# KiCad board processed.kicad_pcb (continued)
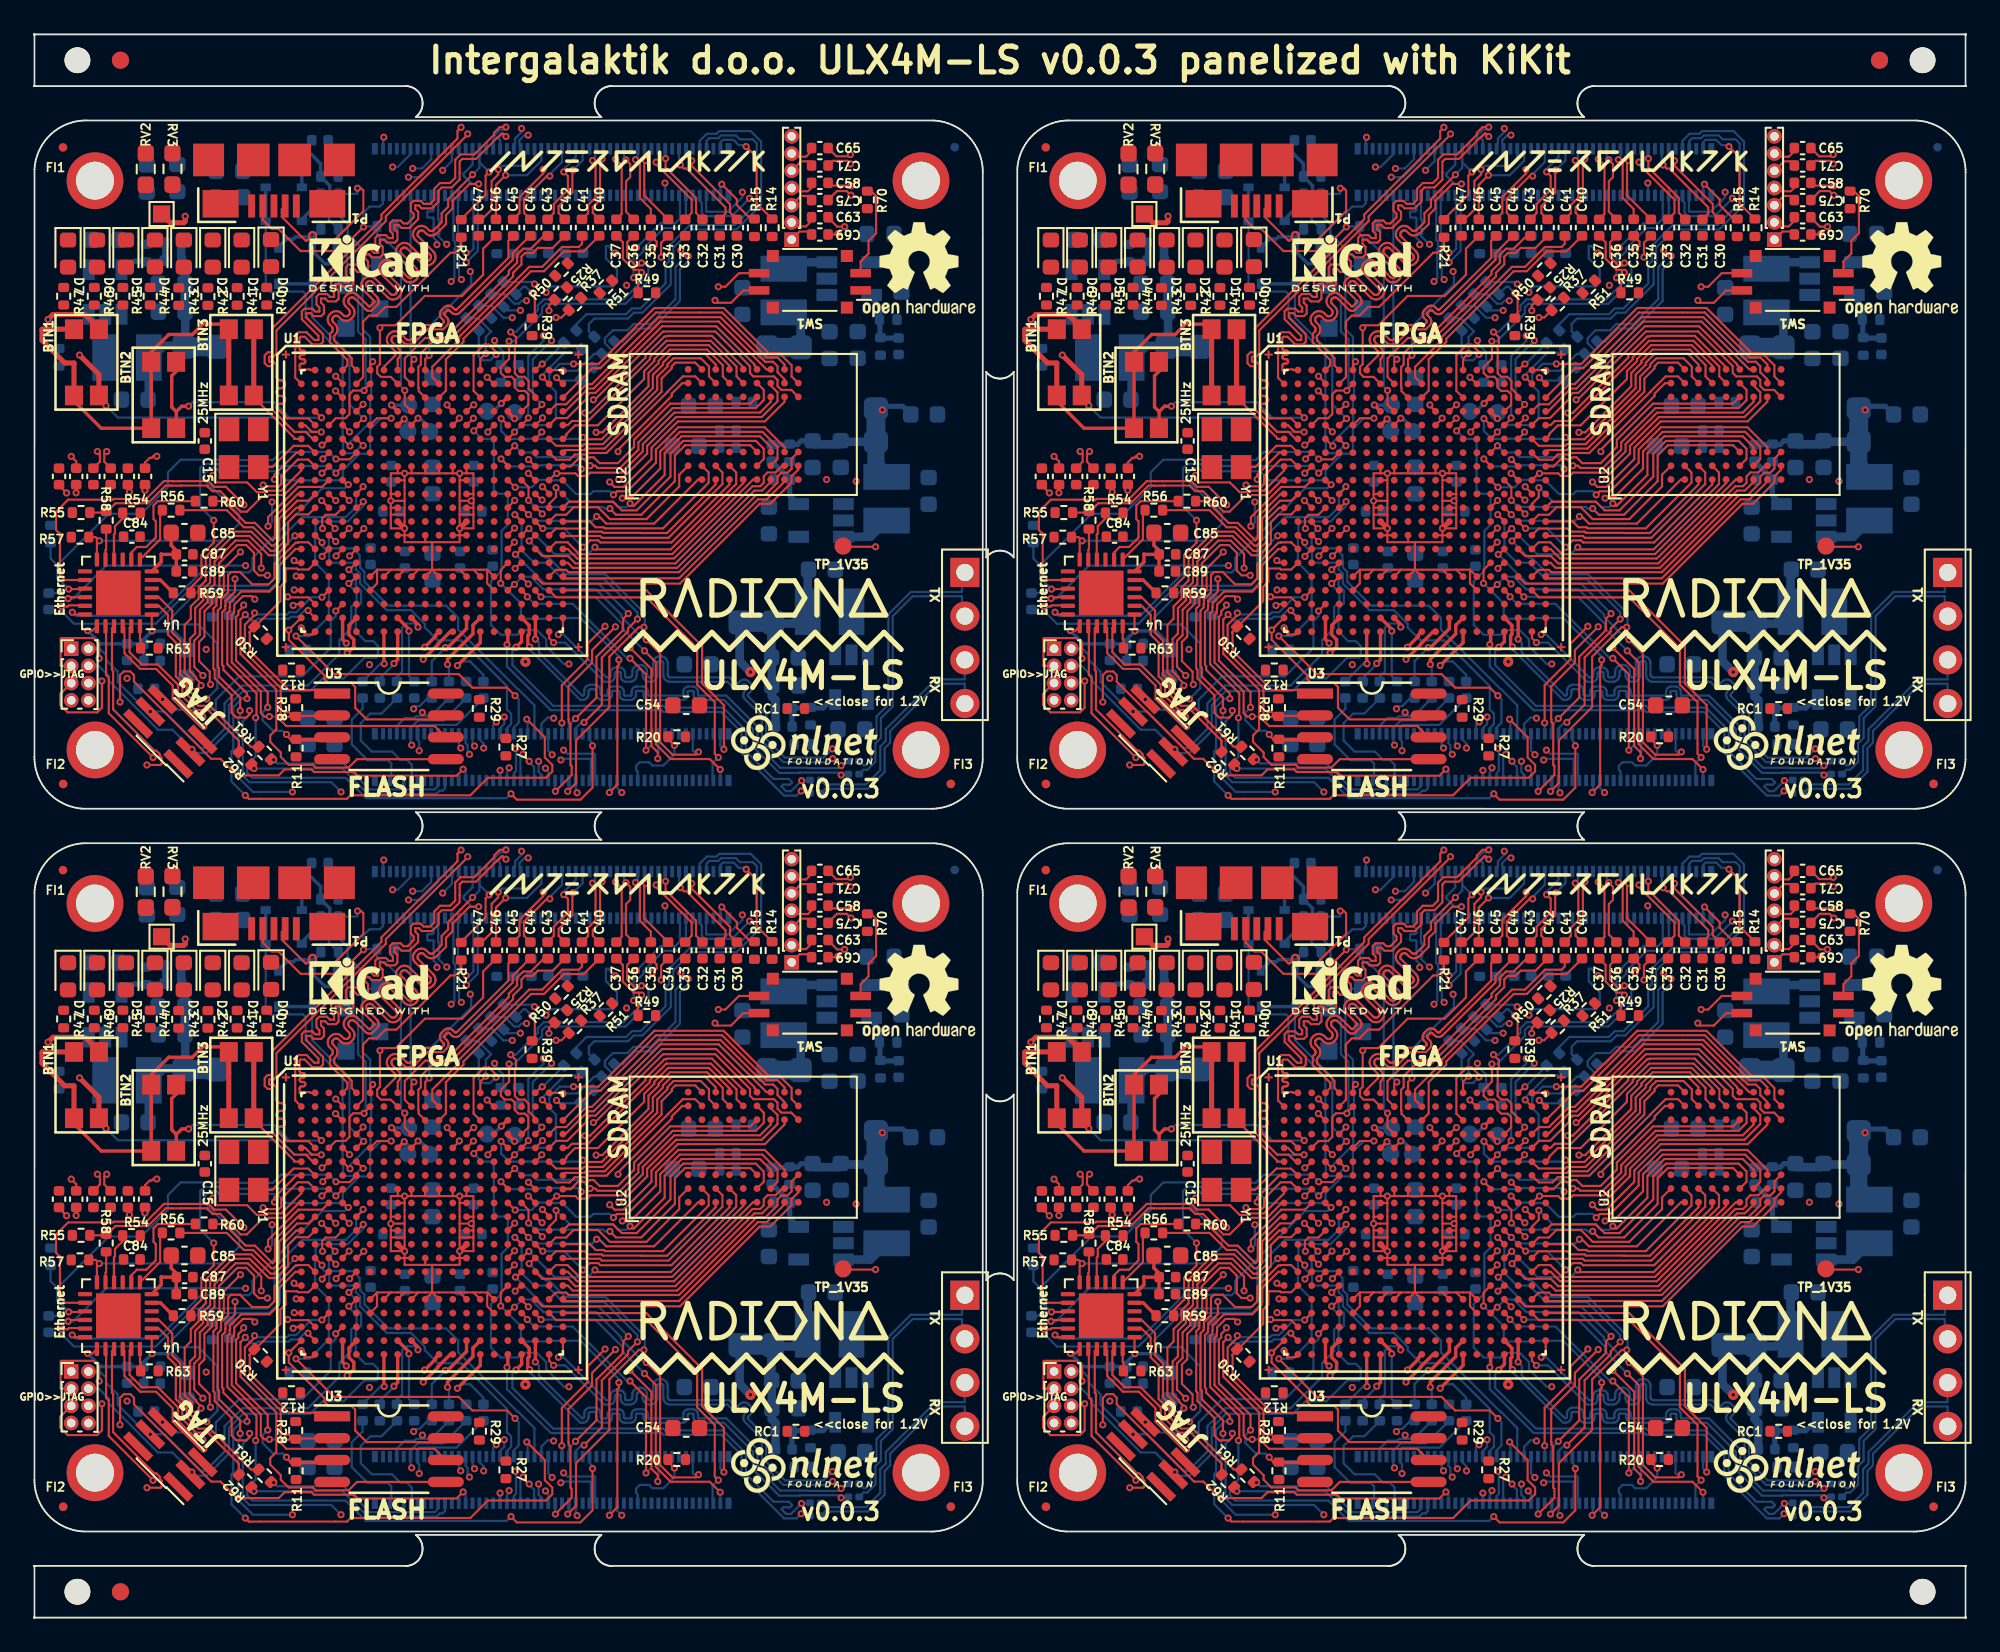
[diagram p0: board, top side]
## Routing (per net, layer and track width the routed paths; a pad name or vN(x,y) marks a point on that pad's centre or on a via; arc(x,y) is an arc through that point) (continued)
  Bottom w0.127: J1.51 30.26,48.03 v1(30.27,48.02)
Board_0-GPIO16: length 28.8
  Top w0.127: J6.5 1.5,53.67 1.5,53.03 1.93,52.61 3.65,52.61 3.92,52.88 v1(3.92,54.43) ; v1(9.25,53.82) 9.15,53.92 9.15,54.5 8.73,54.92 8.73,57.69 9.09,58.04 9.09,58.76 9.55,59.23 9.55,59.86 9.96,60.26 9.96,61.64 11.42,63.11 12.61,63.11 13.73,61.99 13.96,61.99 14.49,62.51 14.49,63.76 15.22,64.5 U1.L1
  In2.Cu w0.127: v1(3.92,54.43) 4.04,54.55 4.48,54.55 5.1,53.93 6.98,53.93 7.46,54.41 8.66,54.41 v1(9.25,53.82)
Board_0-GPIO17: length 68.2
  Top w0.127: v1(16.71,66.5) 16.72,66.5 U1.H3
  In2.Cu w0.127: v1(30.08,50.15) 30.13,50.1 30.13,49.12 29.78,48.78 27.11,48.78 26.61,48.28 26.46,48.28 26.46,48.28 20.86,48.28 20.85,48.26 19.83,48.26 19.45,48.63 17.52,48.63 17.39,48.51 14.93,48.51 14.53,48.11 12.52,48.11 12.45,48.18 12.06,48.18 11.69,47.81 10.44,47.81 10.41,47.84 10.03,47.84 10,47.81 6.44,47.81 6.41,47.84 2.48,47.84 0.84,49.48 0.84,52.45 0.67,52.62 0.67,66.55 1.2,67.08 8.15,67.08 8.39,67.32 9.1,67.32 9.7,67.91 10.27,67.91 10.84,67.35 15.87,67.35 v1(16.71,66.5)
  Bottom w0.127: J1.50 29.86,50.37 v1(30.08,50.15)
Board_0-GPIO18: length 25.4
  Top w0.127: U1.N5 18.75,62.9 v1(19.14,63.29)
  In2.Cu w0.127: v1(29.69,49.36) 29.87,49.54 29.87,49.71 29.68,49.9 29.68,51.37 29.52,51.54 29.52,55.61 29.51,55.62 29.51,57.04 29.09,57.46 28.93,57.46 28.51,57.04 26.78,57.04 26.7,57.12 26.7,59.91 26.7,59.91 26.7,60.3 26.74,60.34 26.74,61.82 26.28,62.28 20.15,62.28 v1(19.14,63.29)
  Bottom w0.127: v1(29.69,49.36) 29.86,49.2 J1.49
Board_0-GPIO19: length 21.9
  Top w0.127: v1(15.1,59.72) 15.12,59.7 U1.U1
  In2.Cu w0.127: v1(25.28,50.17) 25.17,50.27 25.17,52.89 25.91,53.63 25.91,54.87 24.56,56.22 24.56,57.63 24.09,58.1 21.89,58.1 20.7,56.91 18.77,56.91 18.38,57.3 16.91,57.3 16.3,57.91 16.3,58.74 15.32,59.72 v1(15.1,59.72)
  Bottom w0.127: v1(25.28,50.17) 25.17,50.27 25.17,50.7 25.06,50.81 J1.26
Board_0-GPIO20: length 28
  Top w0.127: U1.L3 16.7,64.91 v1(16.69,64.91) ; v1(9.79,54.75) 9.29,55.25 9.29,56.77 9.61,57.09 9.61,58.57 10.06,59.01 10.06,59.65 10.47,60.05 10.47,61.37 11.68,62.59 12.41,62.59 13.18,61.81 v1(13.18,60.99)
  In2.Cu w0.127: v1(13.18,60.99) 14.49,62.29 14.49,63.32 16.08,64.91 v1(16.69,64.91) ; J6.1 2.79,56.96 4.28,56.96 5.38,55.85 v1(5.38,54.58) 5.93,55.13 9.4,55.13 v1(9.79,54.75)
Board_0-GPIO21: length 53.8
  Top w0.127: v1(16.74,63.29) 16.72,63.31 16.72,63.88 16.92,64.09 17.5,64.09 U1.L4 ; v1(13.54,60.57) 13.04,60.57 12.76,60.85 12.76,61.88 12.31,62.33 11.79,62.33 10.73,61.27 10.73,60.77 10.75,60.75 10.75,59.8 10.31,59.36 10.31,58.91 9.88,58.48 9.88,57.01 9.57,56.7 9.57,55.59 10.19,54.97 10.19,54.27 v1(10.23,54.23) ; v1(4.97,53.21) 4.97,54.77 5.19,54.98 5.57,54.98 5.78,54.78 5.78,54.39 10.27,49.91 10.81,49.91 11.77,48.94 14.2,48.94 14.54,49.29 16.09,49.29 16.24,49.14 18.57,49.14 18.79,48.92 24.53,48.92 v3(24.91,49.3)
  In2.Cu w0.127: v1(10.23,54.23) 10.23,53.93 10.08,53.78 9.82,53.78 9.67,53.64 9.63,53.64 8.75,52.76 7.32,52.76 6.87,53.21 v1(4.97,53.21) 4.59,53.21 4.07,52.69 2.76,52.69 J6.7 ; v1(13.54,60.57) 15.05,62.09 15.54,62.09 v1(16.74,63.29)
  Bottom w0.127: v3(24.91,49.3) 25.06,49.15 J1.25
Board_0-GPIO22: length 20.3
  Top w0.127: U1.M3 17.11,63.65 v1(17.47,63.29)
  Bottom w0.127: v1(17.47,63.29) 17.11,62.93 17.11,62.29 17.26,62.14 18.5,62.14 18.9,61.74 18.9,61.43 18.93,61.4 18.93,61.02 19.18,60.77 19.18,60.2 20.56,58.82 20.72,58.82 20.73,58.81 23.92,58.81 24.62,58.11 24.62,57.42 28.08,53.96 28.11,53.96 29.06,53.01 J1.46
Board_0-GPIO23: length 23.9
  Top w0.127: v1(18.29,63.3) 17.91,62.92 U1.N4
  In2.Cu w0.127: v1(29.3,49.76) 29.43,49.89 29.43,51.27 29.26,51.43 29.26,54.12 27.06,56.33 27.04,56.33 26.44,56.92 26.44,59.81 26.44,59.81 26.44,60.4 26.48,60.44 26.48,61.72 26.18,62.02 19.57,62.02 v1(18.29,63.3)
  Bottom w0.127: J1.47 29.46,48.98 29.29,49.14 29.29,49.75 v1(29.3,49.76)
Board_0-GPIO24: length 23.4
  Top w0.127: v1(17.51,62.54) 17.15,62.9 U1.N3
  In2.Cu w0.127: v1(17.51,62.54) 17.94,62.11 18.55,62.11 19.82,60.84 25.7,60.84 26.19,60.35 26.19,59.7 26.19,59.7 26.19,56.75 29.01,53.93 29.01,51.33 29.17,51.16 29.17,50.23 28.75,49.81 v1(28.75,49.76)
  Bottom w0.127: J1.45 29.04,48.66 29.04,49.43 28.75,49.72 v1(28.75,49.76)
Board_0-GPIO25: length 21.5
  Top w0.127: U1.P5 18.32,61.7 v1(18.32,61.69)
  In2.Cu w0.127: v1(28.39,50.17) 28.37,50.19 28.37,51.81 28.21,51.97 28.21,52.74 27.7,53.24 27.64,53.24 27.21,53.67 27.21,55.37 25.94,56.64 25.94,59.6 25.93,59.6 25.93,60.24 25.65,60.53 19.77,60.53 18.6,61.69 v1(18.32,61.69)
  Bottom w0.127: v1(28.39,50.17) 28.24,50.02 28.24,48.66 J1.41
Board_0-GPIO26: length 17.3
  Top w0.127: U1.V1 15.11,58.9 v1(15.04,58.82)
  In2.Cu w0.127: v1(15.04,58.82) 16.8,57.05 18.28,57.05 18.67,56.66 21.08,56.66 21.19,56.77 21.2,56.77 21.24,56.81 22.9,56.81 23.09,56.62 23.09,52.21 v1(24.77,50.53)
  Bottom w0.127: v1(24.77,50.53) 24.66,50.64 J1.24
Board_0-GPIO27: length 31.5
  Top w0.127: v1(27.94,60.97) 28.26,61.3 U1.R17
  In2.Cu w0.127: v1(27.94,60.97) 28.76,60.97 29.71,60.02 29.86,60.02 33,56.88 34.71,56.88 35.01,56.58 35.01,54.53 36.35,53.19 36.35,51.88 37.03,51.2 37.36,51.2 37.72,50.84 37.72,48.68 37.22,48.18 35.26,48.18 34.63,47.55 32.73,47.55 31.29,48.99 31.29,50.79 30.46,51.62 30.22,51.62 30.17,51.66 v1(30.17,52.27)
  Bottom w0.127: v1(30.17,52.27) 30.13,52.31 29.83,52.31 29.46,51.93 J1.48
Board_0-HDMI0_CLK_N: length 5.3
  Top w0.127: v1(38.2,84.66) 38.2,84.36 40.42,82.14 40.42,81.66 C30.2
  Bottom w0.127: J2.90 37.86,85 v1(38.2,84.66)
Board_0-HDMI0_CLK_P: length 5.5
  Top w0.127: v1(37.53,84.42) 37.74,84.21 37.9,84.21 40.16,81.95 40.16,81.6 C31.2
  Bottom w0.127: v1(37.53,84.42) 37.46,84.49 J2.88
Board_0-HDMI0_SCL: length 6.9
  Top w0.127: v1(41.36,85.49) 41.97,84.88 41.97,82.18 R14.2
  Bottom w0.127: J2.100 39.86,85.73 40.01,85.88 40.62,85.88 40.93,85.57 41.28,85.57 v1(41.36,85.49)
Board_0-HDMI0_SDA: length 3.6
  Top w0.127: v1(39.94,83.3) 40.82,82.42 40.82,82.08 41.63,81.28 R15.2
  Bottom w0.127: J2.99 39.86,83.21 v1(39.94,83.3)
Board_0-HDMI0_TX0_N: length 5
  Top w0.127: v1(36.68,84.79) 36.68,84.27 38.45,82.5 38.45,81.63 C32.2
  Bottom w0.127: J2.84 36.66,84.81 v1(36.68,84.79)
Board_0-HDMI0_TX0_P: length 5.2
  Top w0.127: C33.2 38.19,81.63 38.19,82.39 36.13,84.46 v1(36.13,84.58)
  Bottom w0.127: v1(36.13,84.58) 36.26,84.71 J2.82
Board_0-HDMI0_TX1_N: length 4.7
  Top w0.127: v1(35.53,84.67) 35.44,84.58 35.44,82.64 C34.2
  Bottom w0.127: J2.78 35.46,84.74 v1(35.53,84.67)
Board_0-HDMI0_TX1_P: length 4.5
  Top w0.127: v1(34.93,84.72) 35.18,84.46 35.18,82.49 35.82,81.86 C35.2
  Bottom w0.127: v1(34.93,84.72) 35.06,84.85 J2.76
Board_0-HDMI0_TX2_N: length 4.5
  Top w0.127: C36.2 34.38,81.7 34.38,83.46 34.62,83.71 34.62,84.46 v1(34.38,84.71)
  Bottom w0.127: v1(34.38,84.71) 34.26,84.83 J2.72
Board_0-HDMI0_TX2_P: length 4.4
  Top w0.127: C37.2 34.12,81.56 34.12,84.39 v1(33.77,84.75)
  Bottom w0.127: J2.70 33.86,84.84 v1(33.77,84.75)
Board_0-HDMI1_CLK_N: length 4.5
  Top w0.127: v1(32.99,84.76) 32.87,84.65 32.87,82.39 32.45,81.97 32.45,81.63 C40.2
  Bottom w0.127: v1(32.99,84.76) 33.06,84.84 J2.66
Board_0-HDMI1_CLK_P: length 4.6
  Top w0.127: C41.2 32.17,81.61 32.17,82.09 32.61,82.52 32.61,84.36 32.49,84.48
  Top w0.2: v1(32.43,84.68) 32.43,84.53 32.49,84.48
  Bottom w0.127: v1(32.43,84.68) 32.58,84.83 32.58,85.28 J2.64
Board_0-HDMI1_TX0_N: length 4.8
  Top w0.127: C42.2 30.46,81.62 30.46,82.02 31.26,82.82 31.26,84.08 v1(31.3,84.12)
  Bottom w0.127: v1(31.3,84.12) 31.86,84.68 J2.60
Board_0-HDMI1_TX0_P: length 5
  Top w0.127: C43.2 30.18,81.62 30.18,82.15 31,82.97 31,83.77 v1(30.76,84.01)
  Bottom w0.127: J2.58 31.46,84.87 30.76,84.17 v1(30.76,84.01)
Board_0-HDMI1_TX1_N: length 5.3
  Top w0.127: v1(29.95,83.77) 29.77,83.77 28.45,82.45 28.45,81.63 C44.2
  Bottom w0.127: v1(29.95,83.77) 29.95,83.88 30.66,84.58 J2.54
Board_0-HDMI1_TX1_P: length 5.1
  Top w0.127: v1(29.56,84.15) 29.56,83.92 28.19,82.55 28.19,81.63 C45.2
  Bottom w0.127: v1(29.56,84.15) 30.26,84.85 J2.52
Board_0-HDMI1_TX2_N: length 5.9
  Top w0.127: C46.2 26.82,83.26 v1(27.38,83.82)
  Bottom w0.127: v1(27.38,83.82) 28.62,83.82 29.46,84.66 J2.48
Board_0-HDMI1_TX2_P: length 6.5
  Top w0.127: v1(26.95,84.16) 26.95,83.86 26.57,83.47 26.57,81.82 26,81.26 C47.2
  Bottom w0.127: J2.46 29.06,84.68 28.74,84.36 27.16,84.36 v1(26.95,84.16)
Board_0-ID_SC: length 66.1
  Top w0.127: v1(13.58,63.42) 13.58,63.94 15.34,65.7 16.72,65.7 U1.J3
  In2.Cu w0.127: v1(27.06,49.24) 27.06,49.09 26.51,48.53 26.36,48.53 26.36,48.53 20.76,48.53 20.74,48.51 19.94,48.51 19.56,48.89 17.14,48.89 17.02,48.76 14.82,48.76 14.42,48.36 12.63,48.36 12.55,48.43 11.96,48.43 11.61,48.09 2.59,48.09 1.09,49.58 1.09,52.56 0.92,52.73 0.92,66.45 1.3,66.82 6.95,66.82 7.9,65.88 9.28,65.88 10.18,66.78 11.76,66.78 13.5,65.04 13.6,65.04 v1(13.81,64.83)
  Bottom w0.127: v1(27.06,49.24) 27.06,49.23 J1.35 ; v1(13.58,63.42) 13.81,63.65 v1(13.81,64.83)
Board_0-ID_SD: length 63.5
  Top w0.127: v1(10.37,66.38) 10.37,66.15 10.56,65.96 12.36,65.96 12.93,65.4 13.43,65.4 13.51,65.48 14.34,65.48 15.51,66.66 U1.H1
  In2.Cu w0.127: v1(27.3,52.34) 27.3,50.07 26.66,49.43 26.66,49.04 26.4,48.79 26.25,48.79 26.25,48.78 20.65,48.78 20.64,48.76 20.04,48.76 19.66,49.14 17.04,49.14 16.91,49.01 14.72,49.01 14.32,48.61 12.73,48.61 12.66,48.69 11.85,48.69 11.56,48.4 8.14,48.4 7.46,49.07 6.99,49.07 6.81,48.89 6.26,48.89 5.73,49.43 5.73,50.84 4.13,52.44 1.58,52.44 1.18,52.83 1.18,66.34 1.41,66.57 6.85,66.57 7.8,65.61 9.61,65.61 v1(10.37,66.38)
  Bottom w0.127: J1.36 27.06,51.68 27.3,51.93 v1(27.3,52.34)
Board_0-JTAG_TCK: length 25.9
  Top w0.127: U1.T5 18.31,60.09 v1(18.27,60.09)
  Bottom w0.127: v1(18.27,60.09) 18.27,60.03 18.72,59.58 18.72,59.05 18.41,58.74 18.41,57.5 17.72,56.81 17.72,56.25 17.72,56.24 17.72,55.99 15.89,54.17 12.09,54.17 11.05,53.12 11.05,51.64 9.94,50.54 9.67,50.54 7.56,52.65 v1(6.73,52.65) 6.57,52.65 4.84,54.38 4.84,54.97 4.16,55.65 4.16,55.93 3.8,56.29 3.15,56.29 J6.2
Board_0-JTAG_TDI: length 29.1
  Top w0.127: U1.R5 18.31,60.89 v1(18.28,60.89)
  Bottom w0.127: v1(18.28,60.89) 18.67,60.5 18.67,59.98 18.98,59.67 18.98,58.95 18.67,58.64 18.67,57.31 19.23,56.75 19.68,56.75 19.96,56.47 19.96,55.89 19.86,55.79 19.18,55.79 17.97,54.58 16.75,54.58 16.02,53.85 12.13,53.85 11.3,53.02 11.3,51.53 10.02,50.24 9.37,50.24 v1(9.16,50.45) 8.02,51.6 7.18,51.6 4.32,54.46 4.32,54.73 3.74,55.31 J6.4
Board_0-JTAG_TDO: length 19.4
  Top w0.127: v1(17.51,58.5) U1.V4
  In2.Cu w0.127: v1(7.44,53.36) 7.12,53.68 4.6,53.68 4.25,54.03 3.42,54.03 J6.6
  Bottom w0.127: v1(17.51,58.5) 17.51,58.2 17.22,57.9 17.22,56.4 17.08,56.27 17.08,56.22 15.56,54.7 11.9,54.7 10.54,53.34 10.54,52.77 10.53,52.76 8.04,52.76 v1(7.44,53.36)
Board_0-Net-(BTN1-Pad1): length 25.9
  Top w0.2: BTN1.1 2.3,70.7 3.88,69.12 6.78,69.12 BTN2.1 BTN2.1 6.79,73.54 7.81,74.57 9.18,74.57 9.85,75.24 9.9,75.24 9.97,75.17 11,75.17 11.3,74.87
  Top w0.3: BTN1.1 2.3,72.91 1.76,72.91 0.44,74.23 0.44,74.85 0.46,74.87 BTN1.1 ; 11.3,71.02 11.3,74.87
Board_0-Net-(D10-Pad1): length 1.6
  Bottom w0.2: D10.1 15.54,84.53 R4.1
Board_0-Net-(D11-Pad2): length 1.4
  Bottom w0.2: D11.2 15.54,81.26 15.98,81.7 R5.1
Board_0-Net-(D12-Pad1): length 2
  Bottom w0.2: R6.1 16.89,78.68 16.13,79.44 D12.1
Board_0-Net-(D13-Pad2): length 2.9
  Bottom w0.2: D13.2 14.66,80.11 15.06,80.11 15.18,80.24 16.2,80.24 R7.1
Board_0-Net-(R22-Pad2): length 3.5
  Top w0.127: U1.A19 30.68,72.5 v1(30.72,72.46)
  Bottom w0.127: R22.2 32.53,73.43 31.55,72.46 v1(30.72,72.46)
Board_0-Net-(R23-Pad2): length 2.3
  Top w0.127: v1(29.5,72.85) 29.46,72.85 U1.A18
  Bottom w0.127: v1(29.5,72.85) 29.54,72.85 R23.2
Board_0-Net-(R24-Pad2): length 4.3
  Top w0.127: v1(26.23,73.46) 25.91,73.15 U1.A14
  Bottom w0.127: R24.2 25.77,75.5 26.54,74.73 26.23,74.42 v1(26.23,73.46)
Board_0-Net-(R25-Pad2): length 10.3
  Top w0.127: v1(29.9,75.95) 29.9,76.25 R25.2 ; U1.D13 25.49,70.48 v1(25.53,70.48)
  In2.Cu w0.127: v1(25.53,70.48) 25.09,70.92 25.09,72.75 25.35,73 27.35,73 28.06,73.71 28.06,74.37 29.63,75.95 v1(29.9,75.95)
Board_0-Net-(R26-Pad2): length 11.6
  Top w0.127: U1.D12 23.98,70.43 v1(23.98,70.47)
  In2.Cu w0.127: v1(23.98,70.47) 23.98,73.21 27.3,76.53 v1(28.6,76.53)
  Bottom w0.127: R26.2 27.34,76.89 27.88,76.35 28.15,76.35 28.32,76.53 v1(28.6,76.53)
Board_0-Net-(R34-Pad1): length 2
  Top w0.127: v1(30.34,72.06) 30.35,72.06 U1.B20
  Bottom w0.127: v1(30.34,72.06) 30.51,71.89 31.7,71.89 R34.1
Board_0-Net-(R35-Pad1): length 3.6
  Top w0.127: U1.B19 v1(29.52,72.09)
  Bottom w0.127: R35.1 31.63,73.51 30.82,73.51 29.52,72.21 v1(29.52,72.09)
Board_0-Net-(R36-Pad1): length 7.3
  Top w0.127: v1(26.83,73.4) 26.83,73.55 26.4,73.97 26.14,73.97 25.52,73.36 25.52,71.29 U1.C14
  Bottom w0.127: R36.1 25.82,73.28 26.04,73.06 26.49,73.06 v1(26.83,73.4)
Board_0-Net-(R37-Pad1): length 11.4
  Top w0.127: U1.E13 v1(25.51,69.7) ; v1(30.31,75.55) 30.62,75.55 R37.1
  In2.Cu w0.127: v1(30.31,75.55) 29.59,75.55 28.31,74.27 28.31,73.61 27.35,72.65 25.35,72.65 25.35,71.24 25.93,70.66 25.93,70.12 v1(25.51,69.7)
Board_0-Net-(R38-Pad1): length 10.4
  Top w0.127: v1(24.69,69.7) 24.69,69.68 U1.E12
  In2.Cu w0.127: v1(28.24,75.96) 27.1,75.96 24.27,73.13 24.27,70.76 24.69,70.33 v1(24.69,69.7)
  Bottom w0.127: v1(28.24,75.96) 27.48,75.96 R38.1
Board_0-Net-(R54-Pad1): length 2.9
  Top w0.127: U4.10 4.62,61.49 4.62,62.92 4.68,62.99 4.68,63.43 5.13,63.88 R54.1
Board_0-Net-(R56-Pad1): length 3.4
  Top w0.127: U4.7 7.3,62.66 7.3,64.23 R56.1
Board_0-Net-(R58-Pad2): length 1.8
  Top w0.127: U4.11 4.13,62.04 4.17,62.08 R58.2
Board_0-Net-(R60-Pad1): length 6.6
  Top w0.127: R60.1 7.17,64.88 6.92,64.63 6.92,63.84 7.05,63.71 7.05,62.77 6.5,62.22 5.95,62.22 5.63,61.9 U4.8
Board_0-Net-(R70-Pad2): length 5.5
  Top w0.127: R70.2 48.62,82.9 48.91,82.6 48.91,80.45 48.47,80.01 48.47,79.27 48.01,78.81 SW1.2
Board_0-Net-(TP_C16-Pad1): length 1.5
  Top w0.2: v1(27.13,70.56) 27.47,70.9 U1.C16
  Bottom w0.2: TP_C16.1 26.67,70.1 v1(27.13,70.56)
Board_0-Net-(TP_D8-Pad1): length 1.5
  Top w0.2: U1.D8 21.11,70.11 v1(20.75,70.47)
  Bottom w0.2: TP_D8.1 20.76,70.45 v1(20.75,70.47)
Board_0-Net-(TP_D16-Pad1): length 0.9
  Top w0.2: v1(27.9,69.68) 27.51,70.07 U1.D16
  Bottom w0.2: TP_D16.1 27.91,69.69 v1(27.9,69.68)
Board_0-Net-(TP_E8-Pad1): length 1.3
  Top w0.2: v1(21.49,69.66) 21.13,69.3 U1.E8
  Bottom w0.2: TP_E8.1 21.7,69.45 v1(21.49,69.66)
Board_0-Net-(TP_E9-Pad1): length 1.7
  Top w0.127: U1.E9 21.91,69.32 v1(22.29,69.7)
  Bottom w0.2: v1(22.29,69.7) 22.4,69.7 22.97,69.13 TP_E9.1
Board_0-nEXTRST: length 16.9
  Top w0.127: v1(40.06,50.46) 40.06,53.02 38.8,54.29 38.8,56.46 35.56,59.7 U1.U20
  Bottom w0.127: J1.100 39.86,50.66 v1(40.06,50.46)
Board_0-PCIe_CLK_nREQ: length 19.2
  Top w0.127: v1(22.94,73.36) 22.71,73.13 U1.A10
  In2.Cu w0.127: v1(25.33,78.23) 25.6,78.5 25.6,79.52 24.5,80.62 24.5,84.39 23.6,85.29 21.04,85.29 v1(20.3,86.03)
  Bottom w0.127: v1(25.33,78.23) 25.38,78.18 25.38,77.47 22.95,75.04 22.95,73.37 v1(22.94,73.36) ; J2.2 20.26,85.98 v1(20.3,86.03)
Board_0-PCIe_CLK_P: length 35.3
  Top w0.127: C59.1 2.43,67.19 v1(2.14,67.48)
  In2.Cu w0.127: v1(2.14,67.48) 1.99,67.63 1.99,68.58 2.93,69.52 9.17,69.52 11.54,71.89 11.56,71.89 11.73,71.72 11.96,71.72 12.27,72.03 12.27,72.26 12.1,72.43 12.1,72.45 14.08,74.42 14.08,74.71 13.91,74.87 13.91,74.95 14.02,75.05 14.09,75.05 14.6,74.54 14.89,74.54 15.14,74.8 15.14,75.11 14.87,75.39 14.86,75.39 14.65,75.61 14.65,75.68 14.75,75.79 14.83,75.79 14.99,75.62 15.28,75.62 16.56,76.9 16.56,77.2 16.33,77.42 16.33,77.85 16.75,77.85 16.98,77.62 17.61,77.62 20.88,80.89 20.88,82.53 21.13,82.78 21.13,82.83 20.88,83.08 20.88,84.23 v1(20.82,84.3)
  Bottom w0.127: v1(20.82,84.3) 21.11,84.3 21.86,85.04 J2.10
Board_0-PCIe_nRST: length 10.3
  Top w0.127: U1.A9 21.91,72.98 v1(22.06,73.12)
  Bottom w0.127: v1(22.06,73.12) 21.86,73.32 J2.9
Board_0-PCIe_RX_N: length 35.2
  Top w0.127: C67.2 3.8,67.17 3.8,67.62 v1(3.66,67.77)
  In2.Cu w0.127: v1(3.66,67.77) 3.8,67.91 3.8,68.2 4.18,68.57 4.74,68.57 5.02,68.3 5.02,67.79 5.14,67.66 5.27,67.79 5.27,68.92 5.54,69.18 5.77,69.18 6.03,68.92 6.03,68.69 6.15,68.57 6.47,68.57 7.04,69.14 7.48,69.14 7.58,69.24 7.78,69.24 7.88,69.14 8.08,69.14 8.18,69.24 8.38,69.24 8.48,69.14 10.13,69.14 10.13,69.3 9.96,69.47 9.96,69.84 10.13,70.01 10.5,70.01 10.67,69.84 10.83,69.84 10.84,69.85 10.84,70.02 10.68,70.18 10.68,70.55 10.84,70.72 11.21,70.72 11.38,70.56 11.54,70.56 13.84,72.86 22.22,81.24 22.22,83.56 22.08,83.7 v1(21.73,83.7)
  Bottom w0.127: v1(21.73,83.7) 22.41,83.7 23.46,84.75 J2.18
Board_0-PCIe_RX_P: length 35.5
  Top w0.127: v1(4.2,67.77) 4.06,67.62 4.06,67.17 C61.1
  In2.Cu w0.127: v1(21.98,84.21) 22.48,83.71 22.48,81.64 22.6,81.51 22.91,81.51 23.04,81.39 22.91,81.26 22.6,81.26 11.73,70.39 11.65,70.3 11.27,70.3 11.11,70.47 10.95,70.47 10.93,70.45 10.93,70.29 11.09,70.12 11.09,69.75 10.93,69.59 10.56,69.59 10.4,69.75 10.23,69.75 10.22,69.74 10.22,69.57 10.38,69.41 10.38,69.04 10.23,68.89 7.92,68.89 7.72,68.69 7.62,68.69 7.42,68.89 7.14,68.89 6.57,68.32 6.04,68.32 5.78,68.58 5.78,68.81 5.67,68.93 5.64,68.93 5.53,68.81 5.53,67.68 5.25,67.41 5.04,67.41 4.76,67.68 4.76,68.19 4.64,68.32 4.28,68.32 4.06,68.09 4.06,67.91 v1(4.2,67.77)
  Bottom w0.127: v1(21.98,84.21) 22.52,84.21 23.06,84.75 J2.16
Board_0-PCIe_TX_P: length 34.6
  Top w0.127: C55.1 6.43,67.13 6.7,67.4 6.81,67.4 6.9,67.49 v1(7.11,67.49)
  In2.Cu w0.127: v1(23.72,84.1) 23.72,82.92 23.87,82.77 24.07,82.77 24.22,82.62 24.07,82.47 23.87,82.47 23.72,82.32 23.72,80.78 19.68,76.73 19.68,76.72 19.18,76.22 18.79,76.22 14.87,72.3 14.86,72.29 14.87,72.29 14.97,72.19 15,72.14 15.03,72.09 15.04,72.04 15.04,71.98 15.03,71.93 15,71.88 14.97,71.83 14.75,71.62 14.71,71.58 14.66,71.56 14.6,71.54 14.55,71.54 14.49,71.56 14.44,71.58 14.4,71.62 14.3,71.72 14.29,71.72 14.28,71.72 14.26,71.69 14.25,71.66 14.24,71.63 14.24,71.6 14.25,71.57 14.26,71.54 14.28,71.51 14.59,71.21 14.64,71.14 14.68,71.07 14.7,70.98 14.7,70.9 14.68,70.81 14.64,70.74 14.59,70.67 14.55,70.64 14.49,70.58 14.41,70.55 14.33,70.53 14.24,70.53 14.16,70.55 14.08,70.58 14.01,70.64 13.71,70.94 13.69,70.96 13.66,70.98 13.62,70.98 13.59,70.98 13.56,70.98 13.53,70.96 13.5,70.94 13.48,70.92 13.47,70.89 13.46,70.85 13.46,70.82 13.47,70.79 13.48,70.76 13.5,70.74 13.95,70.29 14,70.22 14.04,70.15 14.06,70.06 14.06,69.98 14.04,69.9 14,69.82 13.95,69.75 13.92,69.72 13.85,69.67 13.77,69.63 13.69,69.61 13.6,69.61 13.52,69.63 13.44,69.67 13.38,69.72 12.93,70.16 12.91,70.18 12.88,70.2 12.85,70.21 12.81,70.21 12.78,70.2 12.75,70.18 12.73,70.16 12.71,70.14 12.69,70.11 12.69,70.08 12.69,70.04 12.69,70.01 12.71,69.98 12.73,69.96 13.17,69.51 13.22,69.45 13.26,69.37 13.28,69.29 13.28,69.2 13.26,69.12 13.22,69.04 13.17,68.97 13.14,68.94 13.07,68.89 13,68.85 12.91,68.83 12.83,68.83 12.74,68.85 12.67,68.89 12.6,68.94 12.16,69.39 12.13,69.41 12.1,69.42 12.07,69.43 12.04,69.43 12,69.42 11.97,69.41 11.95,69.39 10.73,68.17 9.03,68.17 8.86,67.99 8.73,67.99 8.56,68.17 8.15,68.17 7.56,67.58 7.2,67.58 v1(7.11,67.49)
  Bottom w0.127: J2.22 24.26,84.64 v1(23.72,84.1)
Board_0-RGMII_REF_CLK: length 26
  Top w0.127: U4.14 1.78,60.3 1.48,60.6 1.48,63.01 1.45,63.01 1.26,63.2 1.26,64.27 1.96,64.97 4.56,64.97 4.6,65.01 6.49,65.01 7.52,66.04 8.04,66.04 8.04,66.03 8.43,66.03 8.43,66.04 10.12,66.04 10.45,65.71 11.13,65.71 v1(12.17,64.67) ; U1.H2 15.91,67.3 15.3,67.3 14.35,66.34 14.35,65.87 14.21,65.74 13.37,65.74 v1(13.29,65.82)
  In2.Cu w0.127: v1(13.29,65.82) 13.37,65.74 13.99,65.74 14.22,65.51 14.22,64.53 14.01,64.33 13.63,64.33 13.37,64.59 12.25,64.59 v1(12.17,64.67)
Board_0-RGMII_RX_DV: length 14.3
  Top w0.127: U1.J1 15.37,66.1 14.51,65.23 13.62,65.23 13.52,65.14 13.21,65.14 12.35,64.27 11.99,64.27 10.8,65.46 10.35,65.46 10.08,65.73 10.07,65.73 10.01,65.79 8.54,65.79 8.53,65.78 7.94,65.78 7.93,65.79 7.63,65.79 6.6,64.76 4.71,64.76 4.23,64.28 R58.1 4.11,64.22 R55.2
Board_0-RGMII_RXD0: length 7.9
  Top w0.127: U1.K1 15.3,65.3 13.98,63.97 13.98,62.73 13.84,62.59 12.82,63.62 12.28,63.62 11.02,64.88 R60.2
Board_0-RGMII_RXD1: length 10.7
  Top w0.127: U1.K2 15.92,64.9 15.27,64.9 14.23,63.86 14.23,62.62 13.91,62.3 13.78,62.3 12.71,63.36 12.17,63.36 11.18,64.36 R56.2
Board_0-RGMII_TX_CLK: length 16.9
  Top w0.127: U1.H4 v1(17.52,66.51) ; v1(10.42,63.77) 10.42,62.46 9.7,61.75 9.7,60.48 9.09,59.87 R59.2
  Bottom w0.127: v1(10.42,63.77) 9.63,64.55 9.63,66.79 9.87,67.03 10.67,67.03 10.78,66.92 17.1,66.92 v1(17.52,66.51)
Board_0-RGMII_TX_EN: length 20.3
  Top w0.127: v1(1.96,59.22) 2.04,59.3 U4.16 ; v1(17.51,64.92) 17.49,64.92 U1.K3
  In2.Cu w0.127: v1(12.27,61.14) 12.75,61.14 14.23,62.62 14.23,63.47 16.08,65.32 17.11,65.32 v1(17.51,64.92)
  Bottom w0.127: v1(12.27,61.14) 4.17,61.14 2.26,59.22 v1(1.96,59.22)
Board_0-RGMII_TXD0: length 25
  Top w0.127: U1.K5 19.1,65.69 v1(19.1,65.72) ; v1(1.58,58.76) 1.94,58.76 2.01,58.82 2.92,58.82 U4.17
  Bottom w0.127: v1(1.58,58.76) 1.58,58.48 2.3,57.76 7.05,57.76 9.26,59.96 13.53,59.96 13.95,60.38 13.95,62.34 15.56,63.95 18.1,63.95 18.69,64.55 18.69,65.32 v1(19.1,65.72)
Board_0-RGMII_TXD1: length 20.9
  Top w0.127: U1.J4 18.17,65.84 v1(18.24,65.84) ; v1(2.2,58.42) 2.33,58.3 U4.18
  Bottom w0.127: v1(18.24,65.84) 18.03,65.63 16.73,65.63 12.67,61.57 12.67,60.94 12.46,60.74 12.01,60.74 11.98,60.76 9.7,60.76 7.15,58.21 2.41,58.21 v1(2.2,58.42)
Board_0-RUN_PG: length 20.2
  Top w0.127: v1(27.9,60.04) 27.85,60.04 U1.U16 ; v1(38.59,50.31) 38.43,50.15 37.08,50.15 36.36,50.87 36.36,56.02 v1(35.56,56.82)
  Bottom w0.127: J1.92 38.26,50.39 38.36,50.29 38.58,50.29 v1(38.59,50.31) ; v1(27.9,60.04) 28.34,60.49 28.85,60.49 29.58,59.76 32.63,59.76 34.11,58.27 34.11,58.15 35.44,56.82 v1(35.56,56.82)
Board_0-SCL0: length 14.8
  Top w0.127: v1(35.54,50.4) 35.54,54.82 v1(34.61,55.75) ; U1.U17 28.64,59.36 v1(28.64,59.32)
  Bottom w0.127: v1(34.61,55.75) 34.44,55.75 31.27,58.92 29.05,58.92 v1(28.64,59.32) ; J1.80 35.86,50.72 v1(35.54,50.4)
Board_0-SD_CLK: length 45.2
  Top w0.127: v1(11.97,61.92) 11,60.96 11,59.69 10.58,59.27 10.58,58.82 10.4,58.64 10.4,55.15 10.47,55.08 10.47,54.58 11.46,53.6 11.46,52.58 11.74,52.3 12.31,52.3 12.5,52.49 v1(12.5,52.71) ; v1(13.95,66.15) 13.95,66.41 15.23,67.7 U1.G1
  In2.Cu w0.127: v1(11.97,61.92) 11.97,62.4 13.4,63.82 13.86,63.82 14.47,64.43 14.47,65.62 v1(13.95,66.15) ; v1(17.82,47.98) 18.07,47.73 26.79,47.73 27.34,48.27 27.94,48.27 28.6,47.62 31.22,47.62 v1(31.54,47.93)
  Bottom w0.127: J1.57 31.46,48.01 v1(31.54,47.93) ; v1(17.82,47.98) 17.25,48.55 12.49,48.55 12.11,48.93 12.11,49.64 12.11,52.09 12.5,52.49 v1(12.5,52.71)
Board_0-SD_CMD: length 41.3
  Top w0.127: v1(32.43,50.66) 32.43,48.24 31.73,47.53 28.03,47.53 v1(27.69,47.87) ; U1.P1 15.17,62.1 14.21,61.13 14.21,60.17 13.66,59.62 12.02,59.62 11.36,58.96 11.36,58.7 11.34,58.69 11.34,58.49 11.21,58.36 11.21,55.4 12.9,53.71 12.9,52.34 v1(12.86,52.29)
  Bottom w0.127: v1(32.43,50.66) 32.43,50.81 32.26,50.98 J1.62 ; v1(12.86,52.29) 12.86,50.03 12.36,49.53 12.36,49.1 12.67,48.8 18.09,48.8 19.27,47.62 27.44,47.62 v1(27.69,47.87)
Board_0-SD_D0: length 28.7
  Top w0.127: U1.B15 26.69,71.7 v1(26.31,72.08)
  In2.Cu w0.127: v1(30.75,50.41) 30.75,50.95 30.37,51.32 30.15,51.32 29.77,51.7 29.77,55.83 29.77,55.84 29.77,57.14 28.85,58.06 28.47,58.06 28.28,58.25 28.28,58.63 27.5,59.41 27.5,60.31 27,60.81 27,61.92 25.84,63.07 25.84,68.2 25.93,68.29 25.93,69.11 26.19,69.37 26.2,69.37 26.2,70.77 25.75,71.22 25.75,71.52 v1(26.31,72.08)
  Bottom w0.127: J1.63 32.58,48.72 32.58,50.16 32.54,50.2 30.96,50.2 v1(30.75,50.41)
Board_0-SD_D1: length 19.4
  Top w0.127: v1(33.41,47.95) 33.87,48.41 33.87,55.27 33.96,55.36 v1(33.96,55.66) ; v1(27.1,60.11) 27.1,60.11 27.1,60.89 U1.R16
  Bottom w0.127: v1(33.41,47.95) 33.46,47.99 J1.67 ; v1(33.96,55.66) 33.96,55.85 31.73,58.09 29.97,58.09 29.93,58.05 28.33,58.05 28.27,58.1 28.27,58.93 v1(27.1,60.11)
Board_0-SD_D2: length 29
  Top w0.127: U1.E14 25.86,69.3 v1(25.53,68.96)
  In2.Cu w0.127: v1(34.13,47.95) 33.92,48.15 33.92,52.55 v1(31.06,55.42)
  Bottom w0.127: v1(31.06,55.42) 30.76,55.42 29.74,56.44 29.74,56.85 29.2,57.38 28.35,57.38 28.09,57.12 27.1,57.12 26.53,57.69 26.53,60.21 27.15,60.83 27.15,63.15 27.51,63.51 27.51,65.13 27.33,65.31 26.94,65.31 26.7,65.56 26.7,68.29 26.49,68.5 26,68.5 v1(25.53,68.96) ; v1(34.13,47.95) 33.86,48.22 J1.69
Board_0-SD_D3: length 43.4
  Top w0.127: U1.P2 15.92,62.49 15.33,62.49 15.31,62.47 15.18,62.47 13.95,61.23 13.95,60.38 13.62,60.05 12.66,60.05 11.94,60.76 11.43,60.76 11.26,60.59 11.26,59.58 10.85,59.17 10.85,58.91 10.84,58.9 10.84,58.7 10.65,58.52 10.65,55.26 10.73,55.19 10.73,54.69 11.96,53.46 v1(11.96,52.7)
  In2.Cu w0.127: v1(14.99,47.98) 17.23,47.98 17.63,48.38 18.01,48.38 18.4,47.99 26.69,47.99 27.23,48.53 30.09,48.53 30.42,48.85 30.42,49.48 30.59,49.65 v1(30.59,49.84)
  Bottom w0.127: v1(30.59,49.84) 30.66,49.9 32.33,49.9 32.33,49.9 32.33,48.72 J1.61 ; v1(14.99,47.98) 12.7,47.98 11.85,48.82 11.85,52.3 11.96,52.4 v1(11.96,52.7)
Board_0-SD_PWR_ON: length 29.5
  Top w0.127: U1.E15 26.35,68.94 v1(26.35,68.9) ; v1(37.19,50.69) 36.82,51.06 R20.1
  In2.Cu w0.127: v1(26.35,68.9) 26.7,68.55 26.7,65.13 26.47,64.91 26.47,63.87 26.94,63.4 26.94,62.4 27.28,62.06 27.28,61 27.77,60.51 28.05,60.51 28.3,60.26 28.3,59.57 28.24,59.51 28.24,59.15 28.52,58.87 28.89,58.87 29.15,58.61 29.15,58.24 29.31,58.08 30.63,58.08 35.85,52.86 35.85,51.73 36.89,50.69 v1(37.19,50.69)
  Bottom w0.127: J1.75 35.06,49.16 34.96,49.25 34.96,49.5 35.17,49.71 35.72,49.71 35.91,49.52 36.55,49.52 37.19,50.15 v1(37.19,50.69)
Board_0-SDA0: length 16.6
  Top w0.127: v1(36.22,49.92) 36.22,50.28 35.85,50.65 35.85,55.12 v1(34.61,56.37) ; v1(28.7,60.06) 28.31,60.45 U1.T17
  In2.Cu w0.127: v1(34.61,56.37) 33.01,56.37 29.61,59.76 29,59.76 v1(28.7,60.06)
  Bottom w0.127: v1(36.22,49.92) 36.26,49.95 J1.82
Board_0-SDRAM_A0: length 20.5
  Top w0.127: U1.H16 27.51,66.94 v1(27.11,67.33) ; v1(33.43,65.99) 33.71,65.7 34.24,65.7 35.86,67.32 35.86,67.98 37.39,69.51 42.45,69.51 43.59,70.65 U2.H7
  In2.Cu w0.127: v1(33.43,65.99) 32.53,65.99 v1(31.78,66.75)
  Bottom w0.127: v1(27.11,67.33) 27.55,66.89 29.29,66.89 29.35,66.96 31.56,66.96 v1(31.78,66.75)
Board_0-SDRAM_A1: length 17.9
  Top w0.127: U1.D19 30.32,70.5 30.9,70.5 32.07,71.68 32.39,71.68 36.29,75.57 39.87,75.57 42.46,72.98 42.93,72.98 43.18,72.72 43.18,72.37 43.59,71.96 U2.H8
Board_0-SDRAM_A2: length 24.3
  Top w0.127: v1(31.33,72.86) 32.78,72.86 36.02,76.1 40.06,76.1 42.67,73.49 43.29,73.49 44,72.78 44,72.13 U2.J8 ; v1(27.9,68.9) 27.9,68.89 U1.F16
  Bottom w0.127: v1(31.33,72.86) 30.53,72.86 29.95,72.28 29.95,72.25 29.92,72.22 29.92,71.62 30.3,71.24 30.3,69.7 29.9,69.3 29.14,69.3 29.13,69.31 28.31,69.31 v1(27.9,68.9)
Board_0-SDRAM_A3: length 19.6
  Top w0.127: v1(29.53,69.72) 29.53,69.71 U1.E18 ; U2.J7 43.98,71.34 43.4,71.34 43.18,71.57 43.18,71.92 42.98,72.13 41.78,72.13 41.58,72.32 41.58,72.72 39.57,74.74 36.53,74.74 32.56,70.77 v1(32.48,70.77)
  In2.Cu w0.127: v1(32.48,70.77) 30.58,70.77 v1(29.53,69.72)
Board_0-SDRAM_A4: length 18.1
  Top w0.127: U1.T19 30.3,60.89 30.9,60.89 31.03,60.75 37.45,60.75 41.94,65.24 42.45,65.24 43.18,65.96 43.18,66.3 43.4,66.53 43.76,66.53 44,66.77 44,67.34 U2.J3
Board_0-SDRAM_A5: length 18.6
  Top w0.127: U1.T18 29.52,60.09 37.51,60.09 42.15,64.73 42.76,64.73 44,65.97 44,66.32 44.39,66.71 U2.J2
Board_0-SDRAM_A6: length 19.8
  Top w0.127: v1(27.94,65.68) 27.92,65.68 U1.J16 ; v1(33.65,65.25) 33.85,65.45 34.46,65.45 36.11,67.11 36.11,67.87 37.42,69.18 42.43,69.18 43.59,68.02 U2.H3
  Bottom w0.127: v1(33.65,65.25) 33.43,65.46 32.48,65.46 32.31,65.29 31.48,65.29 30.68,66.09 29.74,66.09 29.71,66.12 29.33,66.12 28.9,65.68 v1(27.94,65.68)
Board_0-SDRAM_A7: length 17.4
  Top w0.127: U2.H2 43.45,66.94 43.06,66.54 42.6,66.54 42.38,66.32 42.38,65.95 42.18,65.74 41.73,65.74 37.24,61.26 31.44,61.26 31.01,61.69 29.51,61.69 U1.P18
Board_0-SDRAM_A8: length 15.4
  Top w0.127: U1.T20 30.81,60.4 37.46,60.4 42.05,64.98 42.56,64.98 43.59,66.01 U2.H1
Board_0-SDRAM_A9: length 17.4
  Top w0.127: U2.G3 42.79,68.02 42.16,68.65 37.6,68.65 36.62,67.66 36.62,66.4 34.84,64.62 34.74,64.62 v1(34.61,64.74) ; v1(30.31,65.66) 30.31,65.12 29.91,64.72 U1.L19
  Bottom w0.127: v1(30.31,65.66) 31.13,64.85 33.61,64.85 33.92,64.53 34.4,64.53 v1(34.61,64.74)
Board_0-SDRAM_A10: length 16.5
  Top w0.127: U2.H9 43.59,72.82 43.18,73.23 42.56,73.23 39.95,75.84 36.13,75.84 32.89,72.6 32.42,72.6 U1.C20
